# Altium PCB PCB_FINAL_5.PcbDoc (part 1 of 2)
Units mm, origin at the board's own origin, x right, y up, seen from the top; angles counter-clockwise.
Board outline 80.01 x 70.31 mm, 2 copper layers (Top Layer, Bottom Layer); 122 components, 64 nets, 390 pads, 209 vias.
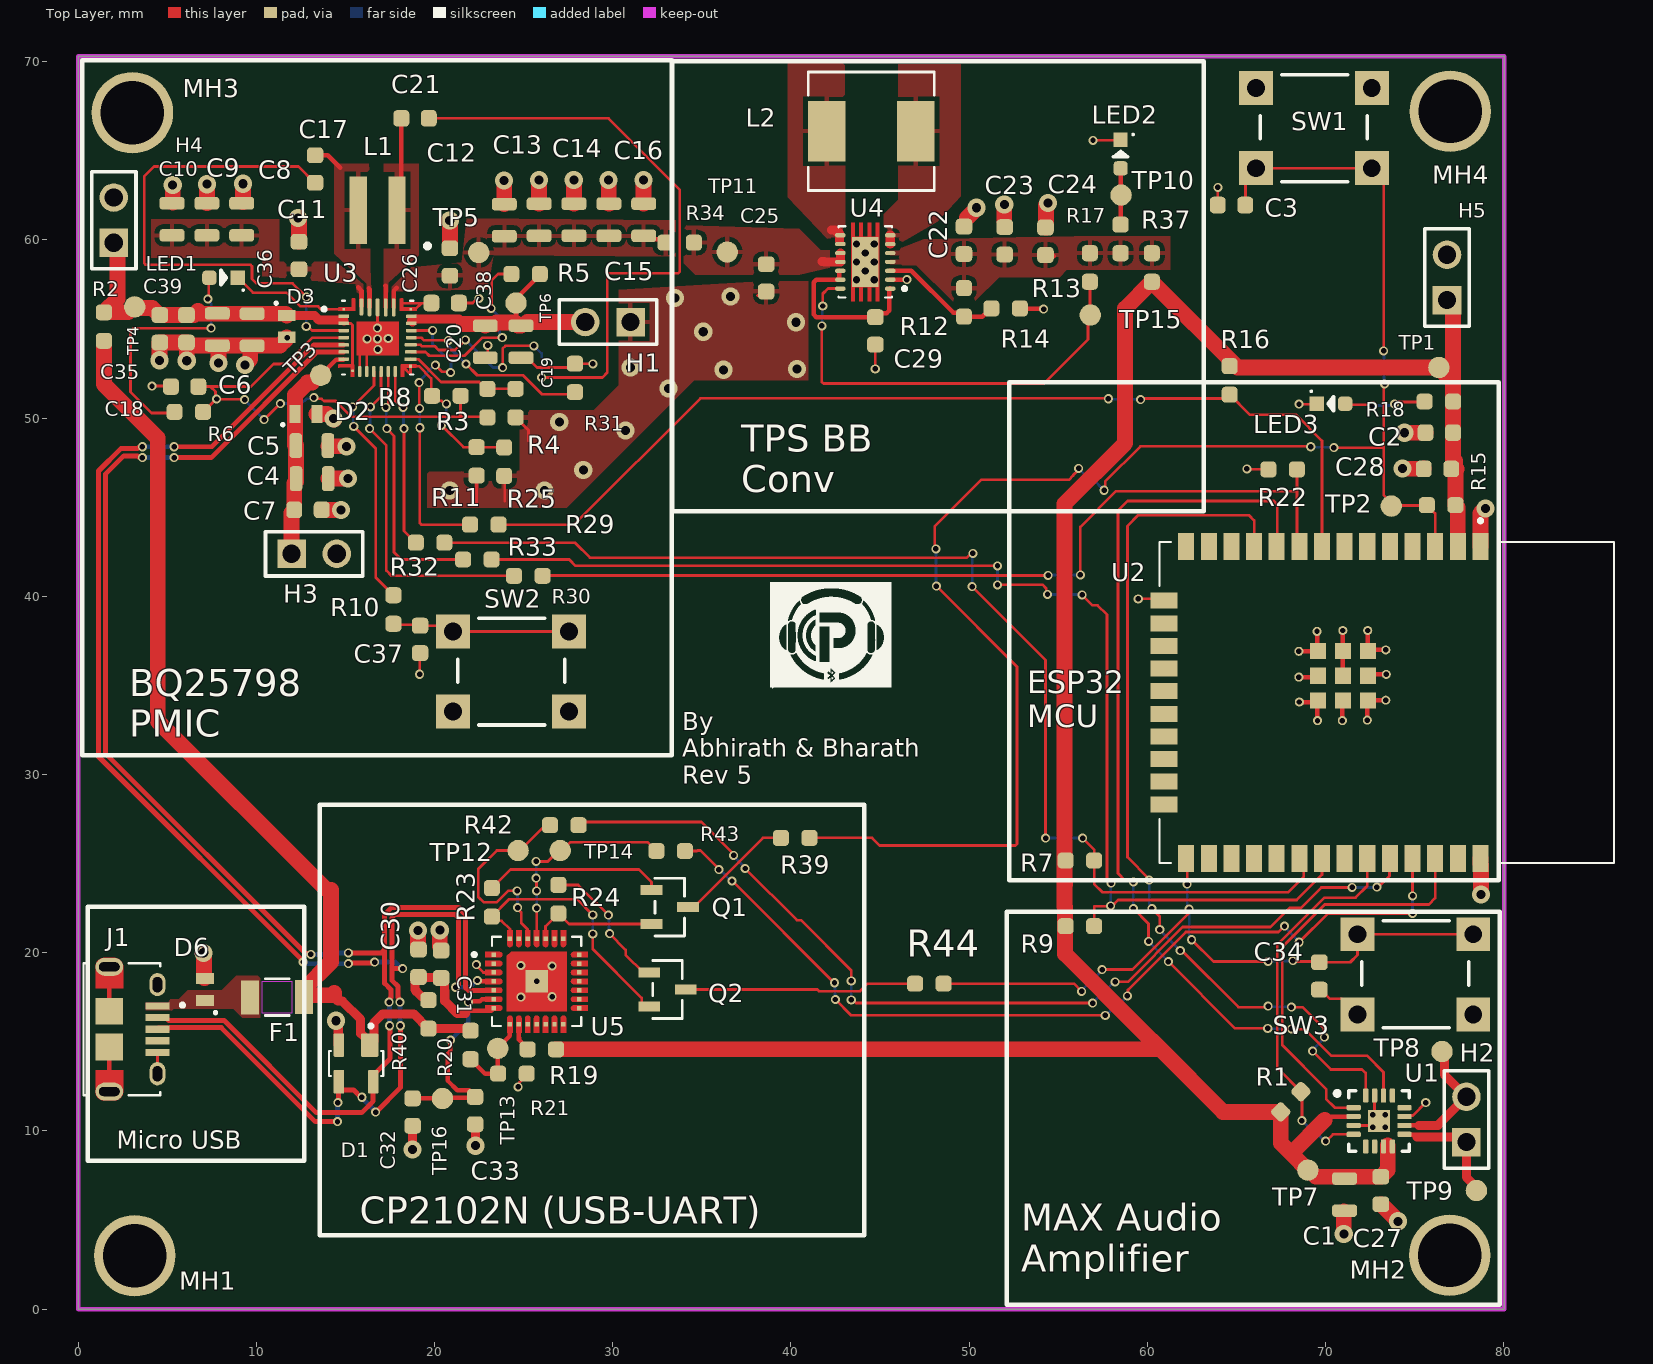
[diagram p0: Top Layer view]
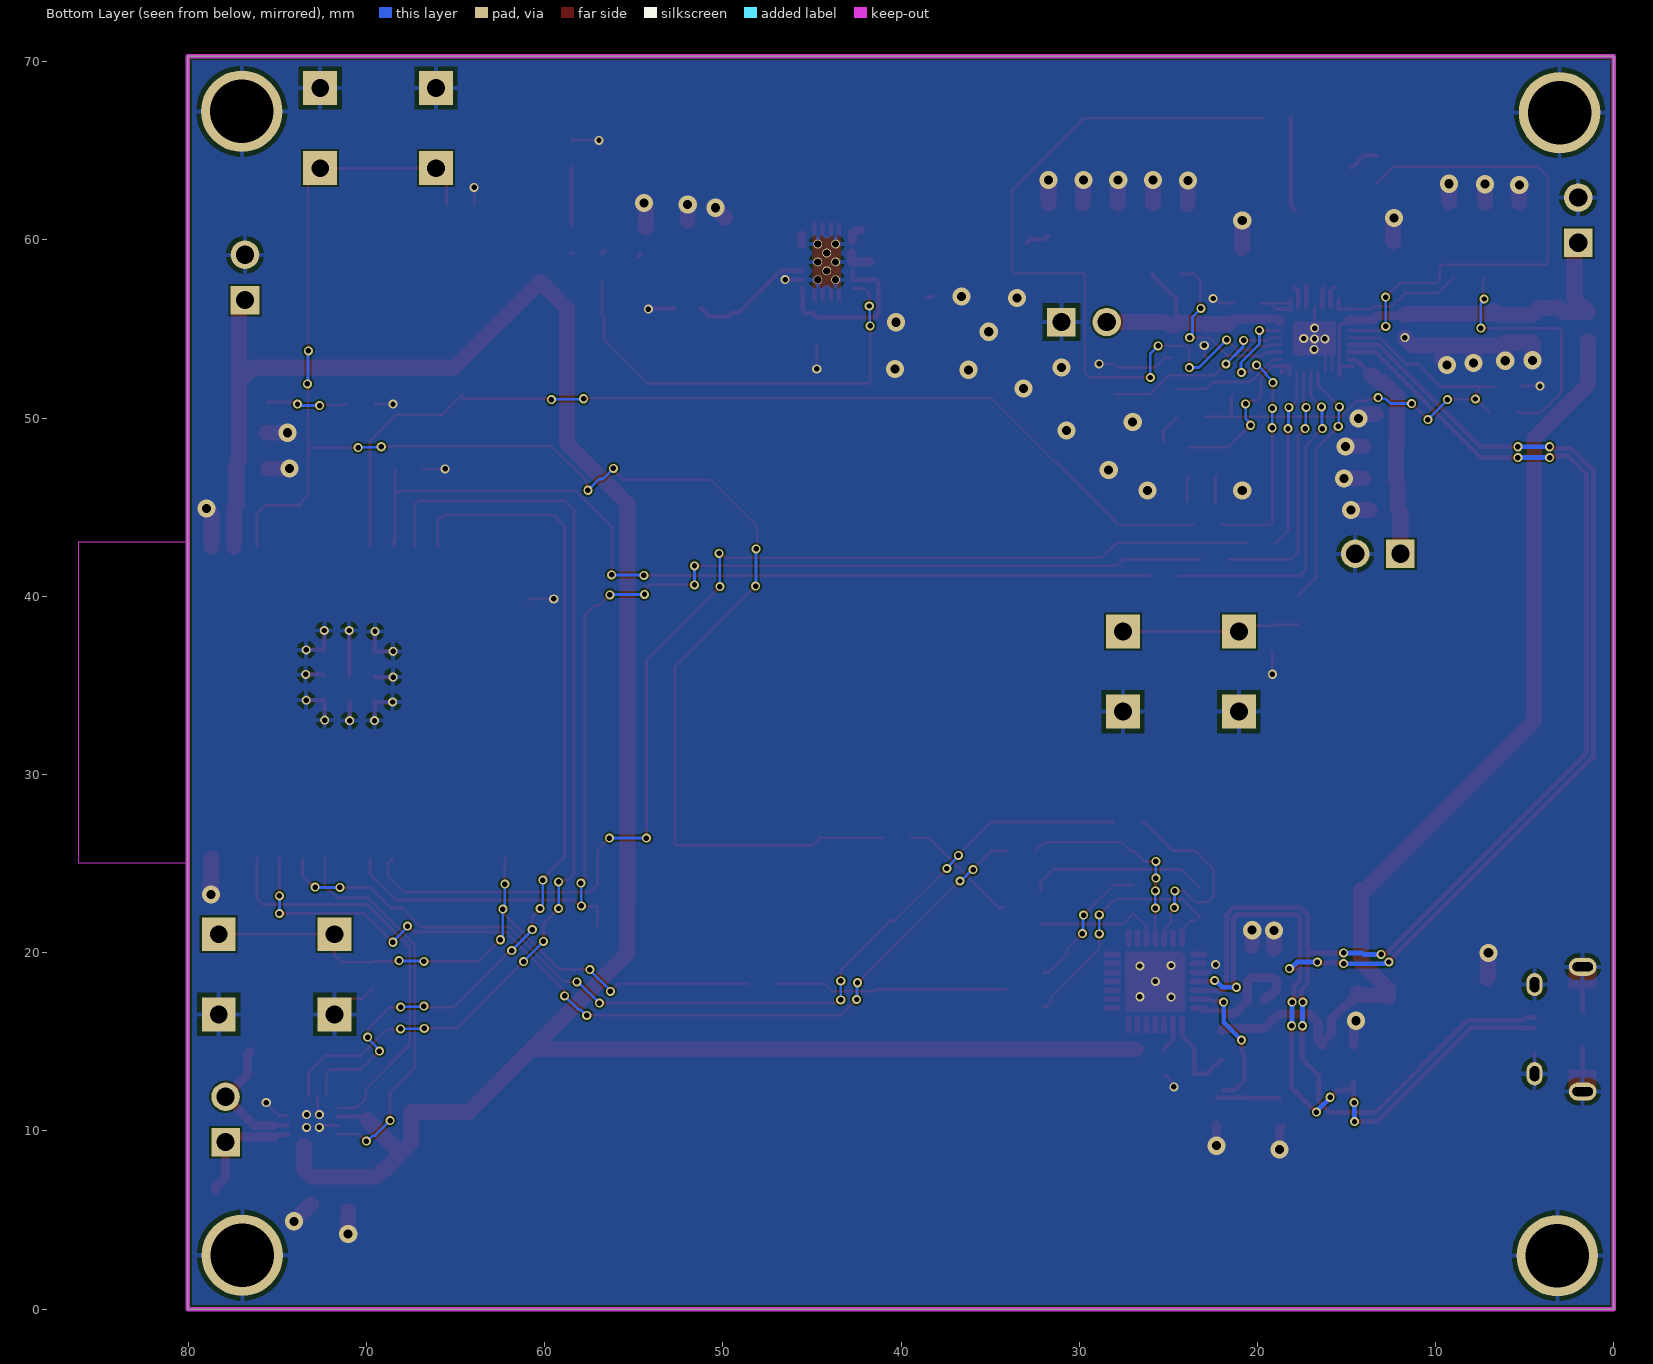
[diagram p1: Bottom Layer view, seen from below]
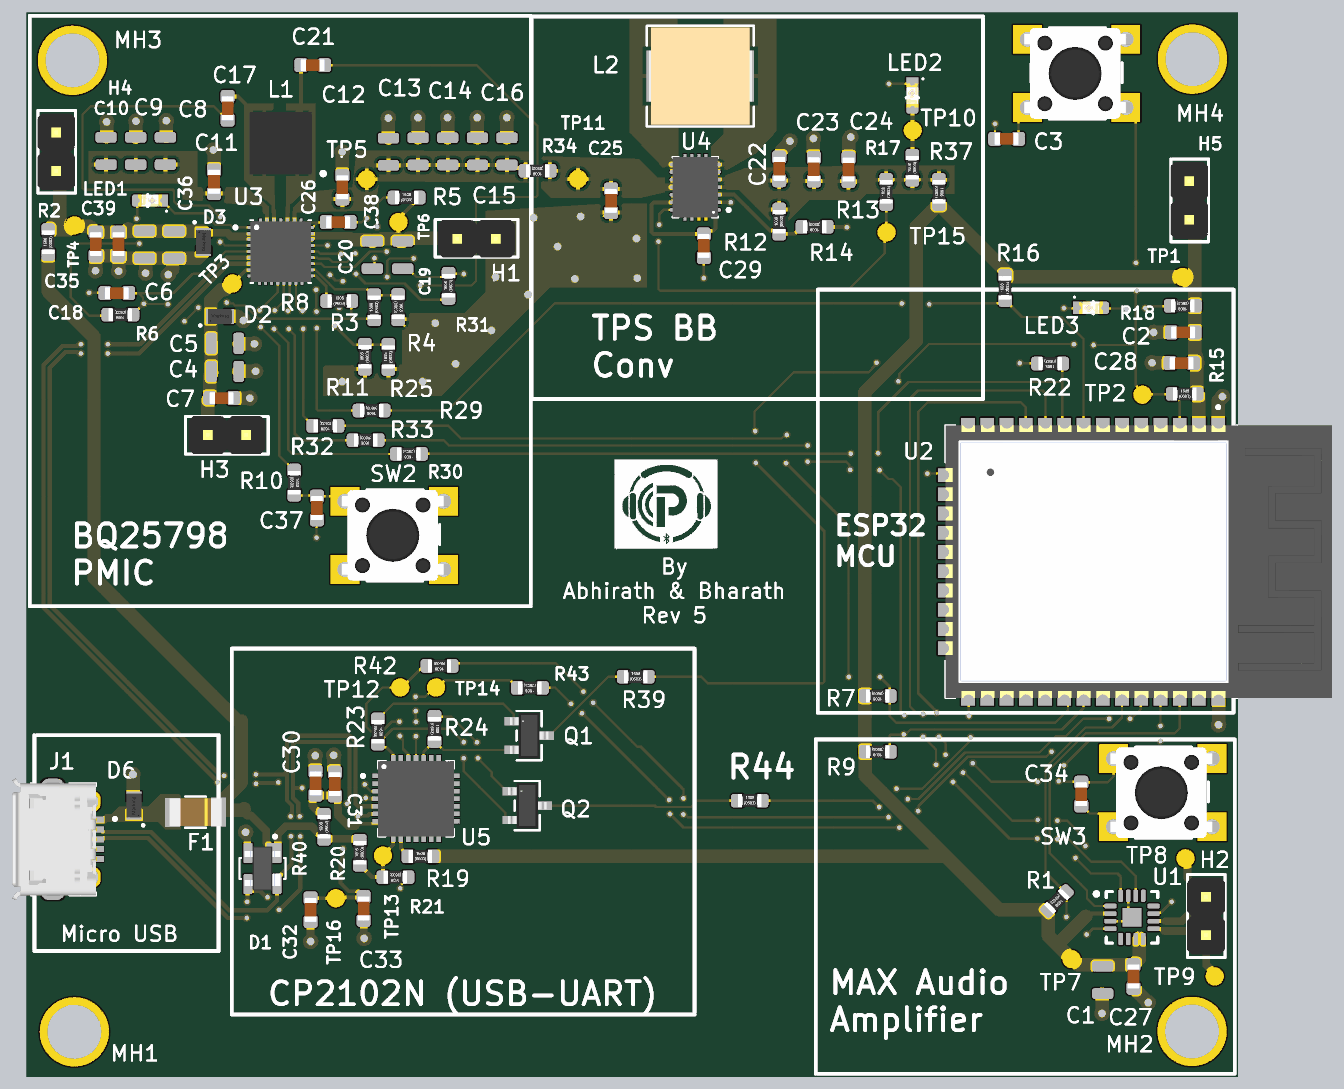
[diagram p3: 3D render of the assembled board from above, using the file's embedded part models]

## Layer stack, top to bottom
Top Solder: solder mask 0.0102, Solder Resist, Dk 3.5
Top Layer: signal copper 0.0356
Dielectric 1: dielectric 0.32, FR-4, Dk 4.8
Bottom Layer: signal copper 0.0356
Bottom Solder: solder mask 0.0102, Solder Resist, Dk 3.5

## Board outline
0,0 80.01,0 80.01,70.307 0,70.307

## Design rules (kind name [scope] priority, off if disabled: settings)
Clearance [All] p1: gap=0.102 ignorepadtopadclearanceinfootprint=FALSE
DiffPairsRouting [All] p1: maxlimit=0.127 minlimit=0.127 mostfreqgap=0.127 toplayer_minwidth=0.277 toplayer_maxwidth=0.277 toplayer_prefwidth=0.277 bottomlayer_minwidth=0.277 bottomlayer_maxwidth=0.277 bottomlayer_prefwidth=0.277 impedanceprofiledriven=TRUE impedanceprofileid={E842A823-A773-4B8F-9750-0115990D137F} impedanceprofilevalue=90.000000 maxuncoupledlength=12.7
HoleSize [All] p1: absolutevalues=TRUE maxlimit=3.81 minlimit=0.025 maxpercent=80.000 minpercent=20.000
MinimumSolderMaskSliver [All] p1: minsoldermaskwidth=0.102
PlaneClearance [All] p1: clearance=0.102
PlaneConnect PlaneConnect_1 [All] p1: planeconnectstyle=Relief reliefexpansion=0.508 reliefentries=4 reliefconductorwidth=0.254 reliefairgap=0.254
PlaneConnect PlaneConnect_Custom [InPolygon AND InNet('NETL2_2_L01_P024')] p2: planeconnectstyle=Direct reliefexpansion=0.508 reliefentries=4 reliefconductorwidth=0.254 reliefairgap=0.254
PolygonConnect [All] p1: thpad.connectstyle=Relief thpad.reliefconductorwidth=0.254 thpad.reliefentries=4 thpad.polygonreliefangle="90 Angle" thpad.airgapwidth=0.254 smdpad.connectstyle=Relief smdpad.reliefconductorwidth=0.254 smdpad.reliefentries=4 smdpad.polygonreliefangle="90 Angle" smdpad.airgapwidth=0.254 via.connectstyle=Direct via.reliefconductorwidth=0.254 via.reliefentries=4 via.polygonreliefangle="90 Angle" via.airgapwidth=0.254
RoutingVias [All] p1: holewidth=0.254 width=0.508 viastyle="Through Hole" minholewidth=0.254 minwidth=0.508 maxholewidth=0.254 maxwidth=0.508
SilkToSolderMaskClearance [IsPad] p1: minsilkscreentomaskgap=0.152 clearancetoexposedcopper=TRUE
SolderMaskExpansion [All] p1: expansion=0.102 istentingtop=FALSE
SupplyNets "Schematic Supply Nets_3" [InNet('REG_3V3')] p1: voltage=0.000
SupplyNets "Schematic Supply Nets_2" [InNet('REGN')] p2: voltage=0.000
SupplyNets "Schematic Supply Nets_1" [InNet('5V_DC_IN')] p3: voltage=0.000
SupplyNets "Schematic Supply Nets" [InNet('GND')] p4: voltage=0.000
Width Width_1 [All] p1: maxlimit=1.27 minlimit=0.152 preferedwidth=0.152
24 further rules are at their usual default settings.

## Classes and differential pairs
component class TPS_BUCK_BOOST: C22 C23 C24 C25 C29 L2 LED2 R12 R13 R14 R17 R37 TP10 TP11 TP15 U4
component class mech_comp: H1 H2 H3 H4 H5 MH1 MH2 MH3 MH4
component class MAX9857A_audio_amp: C1 C27 R1 TP7 TP8 TP9 U1
component class ESP32_SoC: C2 C3 C28 C34 LED3 R7 R9 R15 R16 R18 R22 R29 R30 R32 R33 SW1 SW3 TP1 TP2 U2
component class CP2102_USB_UART: C30 C31 C32 C33 D1 D6 F1 J1 Q1 Q2 R19 R20 R21 R23 R24 R39 R40 R42 R43 R44 TP12 TP13 TP14 TP16 U5
component class BQ25798_PMIC: C4 C5 C6 C7 C8 C9 C10 C11 C12 C13 C14 C15 C16 C17 C18 C19 C20 C21 C26 C35 C36 C37 C38 C39 D2 D3 L1 LED1 R2 R3 R4 R5 R6 R8 R10 R11 R25 R31 R34 SW2 TP3 TP4 TP5 TP6 U3
differential pair USB: +USB_P -USB_N

## Components (designator, comment, footprint, x,y, rotation, side; value= is the part's Value field where it differs from the comment)
C1 "10uF 25V" CAP_10 71.062,6.426 r90 top value=10µF
C2 "0.1 uF 50V" CAPC1608X90N 76.378,49.174 r180 top
C3 "0.1 uF 50V" CAPC1608X90N 64.719,61.951 r180 top
C4 "10uF 25V" CAP_10 13.129,46.596 r0 top value=10µF
C5 "10uF 25V" CAP_10 13.118,48.451 r0 top value=10µF
C6 "10uF 25V" CAP_10 7.81,54.967 r270 top value=10µF
C7 "0.1 uF 50V" CAPC1608X90N 12.898,44.844 r0 top
C8 "10uF 25V" CAP_10 9.181,61.151 r90 top value=10µF
C9 "10uF 25V" CAP_10 7.226,61.151 r90 top value=10µF
C10 "10uF 25V" CAP_10 5.27,61.151 r90 top value=10µF
C11 "0.1 uF 50V" CAPC1608X90N 12.394,59.119 r90 top
C12 "10uF 25V" CAP_10 23.913,61.1 r90 top value=10µF
C13 "10uF 25V" CAP_10 25.869,61.125 r90 top value=10µF
C14 "10uF 25V" CAP_10 27.825,61.125 r90 top value=10µF
C15 "10uF 25V" CAP_10 29.781,61.125 r90 top value=10µF
C16 "10uF 25V" CAP_10 31.737,61.125 r90 top value=10µF
C17 "47nF 16V" CAPC1608X90N 13.296,63.97 r90 top
C18 "4.7 uF 25V" CAPC1608X90N 5.977,51.765 r0 top
C19 "10uF 25V" CAP_10 24.853,54.282 r270 top value=10µF
C20 "10uF 25V" CAP_10 22.847,54.282 r270 top value=10µF
C21 "47nF 16V" CAPC1608X90N 18.91,66.815 r0 top
C22 "22 uF 16V" CAPC1608X90N 49.708,59.969 r90 top
C23 "22 uF 16V" CAPC1608X90N 51.994,59.944 r90 top
C24 "22 uF 16V" CAPC1608X90N 54.28,59.919 r90 top
C25 "22 uF 16V" CAPC1608X90N 38.608,57.861 r270 top
C26 "0.1 uF 50V" CAPC1608X90N 20.865,58.755 r90 top
C27 "0.1 uF 50V" CAPC1608X90N 73.094,6.655 r270 top
C28 "22 uF 16V" CAPC1608X90N 76.276,47.142 r180 top
C29 "0.1 uF 50V" CAPC1608X90N 44.729,54.889 r270 top
C30 "4.7 uF 25V" CAPC1608X90N 19.101,19.406 r90 top
C31 "0.1 uF 50V" CAPC1608X90N 20.371,19.355 r90 top
C32 "4.7 uF 25V" CAPC1608X90N 18.768,11.055 r270 top
C33 "0.1 uF 50V" CAPC1608X90N 22.273,11.139 r270 top
C34 "0.1 uF 50V" CAPC1608X90N 69.647,18.694 r90 top
C35 "0.1 uF 50V" CAPC1608X90N 4.584,55.004 r270 top
C36 "10uF 25V" CAP_10 9.766,54.953 r270 top value=10µF
C37 "47nF 16V" CAPC1608X90N 19.189,37.579 r270 top
C38 "1nF 16V" CAPC1608X90N 20.594,56.452 r0 top
C39 "0.1 uF 50V" CAPC1608X90N 6.083,55.004 r270 top
D1 "SP0503BAHTG" SOT143_NEW 15.598,13.783 r180 top value=30pF
D2 "5V ESD" WE-TVS_DFN1610-2L 12.788,50.229 r0 top
D3 "5V ESD" WE-TVS_DFN1610-2L 11.709,55.143 r270 top
D6 "5V ESD" WE-TVS_DFN1610-2L 7.112,17.932 r90 top
F1 "6V 2A" 0ZCJ_BEL 11.176,17.501 r180 top
H1 "0.1\" M Header" 2-PIN_MALE_HEADER_01-IN 29.73,55.385 r180 top
H2 "0.1\" M Header" 2-PIN_MALE_HEADER_01-IN 77.902,10.643 r90 top
H3 "0.1\" M Header" 2-PIN_MALE_HEADER_01-IN 13.245,42.38 r0 top
H4 "0.1\" M Header" 2-PIN_MALE_HEADER_01-IN 2.005,61.1 r90 top
H5 "0.1\" M Header" 2-PIN_MALE_HEADER_01-IN 76.81,57.887 r90 top
J1 "micro-USB" AMPHENOL_10118194-0001LF 1.753,15.707 r270 top
L1 "1uH 7.2A" WE-MAPI_4020 16.801,61.659 r180 top
L2 "1.5uH 9.1A" IND_PCC-M0630M-LP_PAN 44.501,66.091 r0 top
LED1 "GRN 0603" LED_0603_GRN_WL-SMCW 8.165,57.874 r180 top
LED2 "GRN 0603" LED_0603_GRN_WL-SMCW 58.496,64.808 r270 top
LED3 "GRN 0603" LED_0603_GRN_WL-SMCW 70.295,50.8 r0 top
MH1 "#4 Hole" HOLE_#4 3.175,2.997 r0 top
MH2 "#4 Hole" HOLE_#4 76.962,3.023 r0 top
MH3 "#4 Hole" HOLE_#4 3.048,67.132 r0 top
MH4 "#4 Hole" HOLE_#4 76.987,67.208 r0 top
Q1 "SS8050-G" TRAN_SS8050-G_CIP 33.198,22.555 r270 top
Q2 "SS8050-G" TRAN_SS8050-G_CIP 33.071,17.932 r270 top
R1 "634kΩ" "634K 0603" 68.047,11.633 r225 top
R2 "0" RES_0603_1608X06 1.448,55.131 r90 top
R3 "127kΩ" RESC1508X55N 22.967,50.83 r90 top
R4 "100kΩ" RESC1508X55N 24.548,50.838 r270 top
R5 "100Ω" RESC1508X55N 25.107,58.077 r0 top
R6 "2.2kΩ" RESC1508X55N 6.21,50.343 r180 top
R7 "4.7kΩ" RES_0603_1608X06 56.21,25.171 r180 top
R8 "5.23kΩ" RESC1508X55N 20.662,51.245 r0 top
R9 "4.7kΩ" RES_0603_1608X06 56.21,21.488 r180 top
R10 "10k" RES_0603_1608X06 17.69,39.256 r270 top
R11 "30.9kΩ" RESC1508X55N 22.357,47.562 r90 top
R12 "1MΩ" RESC1508X55N 49.708,56.49 r90 top
R13 "1MΩ" RESC1508X55N 56.769,58.445 r90 top
R14 "180kΩ" RESC1508X55N 52.045,56.147 r180 top
R15 "10kΩ" RES_0603_1608X06 76.479,45.11 r0 top
R16 "10kΩ" RES_0603_1608X06 64.618,52.108 r90 top
R17 "2.2kΩ" RESC1508X55N 58.496,60.046 r90 top
R18 "2.2kΩ" RESC1508X55N 76.352,50.927 r180 top
R19 "1kΩ" RES_0603_1608X06 26.022,14.58 r0 top
R20 "22.1kΩ" RES_0603_1608X06 22.022,14.821 r90 top
R21 "47.5kΩ" RES_0603_1608X06 24.371,13.208 r180 top
R22 "10kΩ" RES_0603_1608X06 67.589,47.117 r180 top
R23 "10kΩ" RES_0603_1608X06 23.216,22.822 r270 top
R24 "10kΩ" RES_0603_1608X06 26.949,23 r270 top
R25 "10kΩ" RES_0603_1608X06 23.906,47.549 r90 top
R29 "0" RES_0603_1608X06 22.796,44.018 r180 top
R30 "0" RES_0603_1608X06 25.26,41.148 r180 top
R31 "3k" RES_0603_1608X06 27.877,52.248 r90 top
R32 "0" RES_0603_1608X06 19.748,43.002 r180 top
R33 "0" RES_0603_1608X06 22.403,42.062 r180 top
R34 "0" RES_0603_1608X06 33.756,59.842 r180 top
R37 "0" RES_0603_1608X06 60.249,58.445 r270 top
R39 "0" RES_0603_1608X06 40.234,26.441 r0 top
R40 "0" RES_0603_1608X06 19.66,16.535 r90 top
R42 "0" RES_0603_1608X06 27.28,27.153 r180 top
R43 "0" RES_0603_1608X06 33.249,25.705 r180 top
R44 "0" RES_0603_1608X06 47.765,18.263 r0 top
SW1 "" 1825910-6_BUTTON 69.342,66.269 r270 top
SW2 "" 1825910-6_BUTTON 24.294,35.776 r270 top
SW3 "" 1825910-6_BUTTON 75.033,18.785 r270 top
TP1 "Test Point" "TEST POINT" 76.352,52.832 r90 top net-tie
TP2 "Test Point" "TEST POINT" 73.685,45.06 r90 top net-tie
TP3 "Test Point" "TEST POINT" 13.614,52.4 r90 top net-tie
TP4 "Test Point" "TEST POINT" 3.175,56.236 r90 top net-tie
TP5 "Test Point" "TEST POINT" 22.479,59.284 r90 top net-tie
TP6 "Test Point" "TEST POINT" 24.574,56.452 r90 top net-tie
TP7 "Test Point" "TEST POINT" 69.005,7.798 r90 top net-tie
TP8 "Test Point" "TEST POINT" 76.53,14.453 r90 top net-tie
TP9 "Test Point" "TEST POINT" 78.461,6.655 r90 top net-tie
TP10 "Test Point" "TEST POINT" 58.522,62.509 r90 top net-tie
TP11 "Test Point" "TEST POINT" 36.424,59.309 r90 top net-tie
TP12 "Test Point" "TEST POINT" 24.689,25.73 r90 top net-tie
TP13 "Test Point" "TEST POINT" 23.546,14.63 r90 top net-tie
TP14 "Test Point" "TEST POINT" 27.051,25.73 r90 top net-tie
TP15 "Test Point" "TEST POINT" 56.794,55.778 r90 top net-tie
TP16 "Test Point" "TEST POINT" 20.445,11.817 r90 top net-tie
U1 "MAX98357A Audio Amplifier" MAX98357_QFN_T1633_4 72.997,10.554 r0 top
U2 "ESP32-WROOM-32E-N4" ESP32-WROOM-32E4 70.965,35.538 r270 top
U3 "BQ25798RQMR" BQ25798RQMR 16.801,54.42 r0 top
U4 "TPS63020DSJR" IC_TPS63020DSJR 44.171,58.758 r180 top
U5 "CP2102N-A02-GQFN28R" IC_CP2102N-A02-GQFN28R 25.73,18.39 r0 top

## Footprints (in the part's own frame and the unit in brackets; to place one, negate y for a bottom-side part, rotate by r counter-clockwise, add the part's x,y. Pads: shape width x height; smd on the part's side, far side on the other; paste and mask are expansions set on the pad)
0ZCJ_BEL [mil]
  rect 39x75 smd paste+0 mask+0: 1(-59,0) 2(60.07,0.85)
  Top Layer keep-out region: -32,-35.5 -32,35.5 33,35.5 33,-35.5
  silkscreen extent -27,-40 27,40, body extent -67,-36 67,36, height 63
2-PIN_MALE_HEADER_01-IN [mm] "Terminal Assembly, 1x2 Pins, Vertical, 2.54mm Pitch, Male"
  rect 1.6x1.6 hole 1.02: 1(-1.27,0)
  round 1.6 hole 1.02: 2(1.27,0)
  silkscreen extent -2.73,-1.24 2.73,1.24, body extent -2.54,-1.22 2.54,1.27, height 8.54
"634K 0603" [mm] "Chip Resistor"
  rrect50% 0.9x0.9 smd: 1(-0.8,0) 2(0.8,0)
  body extent -0.78,-0.43 0.77,0.42, height 0.45
1825910-6_BUTTON [mm]
  rect 1.9x1.9 hole 1: 1(2.25,3.25) 2(2.25,-3.25) 3(-2.25,-3.25) 4(-2.25,3.25)
  silkscreen extent -3,-3 3,3, body extent -3,-4 2.99,3.8, height 5.11
AMPHENOL_10118194-0001LF [mm]
  rect 0.4x1.35 smd mask+0.051: 1(-1.3,2.7) 2(-0.65,2.7) 3(0,2.7) 4(0.65,2.7) 5(1.3,2.7)
  oval 1.3x0.889 hole 0.55 slot 0.85 at 0 deg mask+0.102: S1(-2.5,2.7) S2(2.5,2.7)
  oval 1.003x1.55 hole 0.5 slot 1.15 at 90 deg: S3(-3.5,0) S6(3.5,0)
  rect 1.5x1.55 smd: S4(-1,0) S5(1,0)
  Top Layer region: 193 vertices and 0 holes, not listed, extent 2.3,-0.78 4,0.775
  Top Layer region: 193 vertices and 0 holes, not listed, extent -4,-0.775 -2.3,0.78
  silkscreen extent -3.7,-1.45 3.7,4.2, body extent -4.02,-2.67 4.02,2.91, height 2.69
BQ25798RQMR [mm]
  rrect50% 0.15x0.15 smd paste-1 mask+0: 1(-1.9,1.687) 9(-1.4,-1.762) 24(1.863,1.687)
  rrect50% 0.6x0.2 smd mask+0: 2(-1.9,1.288) 3(-1.9,0.888) 4(-1.9,0.487) 5(-1.9,0.088) 6(-1.9,-0.312) 7(-1.9,-0.713) 8(-1.9,-1.112) 20(1.9,0.088) 21(1.9,0.487) 22(1.9,0.888) 23(1.9,1.288)
  rrect50% 0.2x0.6 smd mask+0: 10(-1,-1.812) 11(-0.6,-1.812) 12(-0.2,-1.812) 13(0.2,-1.812) 14(0.6,-1.812) 15(1,-1.812)
  rrect50% 0.19x0.19 smd paste-1 mask+0: 16(1.85,-1.512)
  rrect50% 0.7x0.2 smd mask+0: 17(1.85,-1.112)
  rrect50% 0.65x0.2 smd mask+0: 18(1.875,-0.713)
  rrect50% 0.68x0.2 smd mask+0: 19(1.863,-0.312)
  rrect50% 0.2x1 smd mask+0: 25(0.9,1.787) 26(0.45,1.787) 27(0,1.787) 28(-0.45,1.787)
  rrect50% 0.2x0.95 smd mask+0: 29(-0.9,1.813)
  Top Layer region: -1.168,-0.914 1.194,-0.914 1.194,0.991 -1.168,0.991
  Top Layer region: 2.158,-1.413 2.16,-1.413 2.163,-1.415 2.165,-1.415 2.168,-1.415 2.17,-1.416 2.173,-1.418 2.175,-1.419 2.177,-1.421 2.179,-1.422 2.181,-1.423 2.183,-1.425 2.185,-1.428 2.187,-1.429 2.189,-1.431 2.19,-1.433 2.192,-1.435 2.193,-1.438 2.195,-1.439 2.196,-1.442 2.197,-1.445 2.198,-1.448 2.198,-1.449 2.199,-1.452 2.199,-1.455 2.2,-1.458 2.2,-1.459 2.2,-1.462 2.2,-1.562 2.2,-1.565 2.2,-1.568 2.199,-1.57 2.199,-1.572 2.198,-1.575 2.198,-1.578 2.197,-1.58 2.196,-1.582 2.195,-1.585 2.193,-1.587 2.192,-1.589 2.19,-1.592 2.189,-1.593 2.187,-1.595 2.185,-1.597 2.183,-1.599 2.181,-1.602 2.179,-1.602 2.177,-1.605 2.175,-1.605 2.173,-1.607 2.17,-1.609 2.168,-1.609 2.165,-1.61 2.163,-1.61 2.16,-1.612 2.158,-1.612 2.155,-1.612 1.5,-1.612 1.5,-2.063 1.5,-2.066 1.5,-2.067 1.499,-2.07 1.499,-2.073 1.498,-2.076 1.498,-2.077 1.497,-2.08 1.496,-2.083 1.495,-2.086 1.493,-2.087 1.492,-2.09 1.49,-2.091 1.489,-2.093 1.487,-2.095 1.485,-2.097 1.483,-2.1 1.481,-2.101 1.479,-2.103 1.477,-2.104 1.475,-2.105 1.473,-2.107 1.47,-2.108 1.468,-2.11 1.465,-2.11 1.463,-2.11 1.46,-2.111 1.458,-2.111 1.455,-2.113 1.345,-2.113 1.342,-2.111 1.34,-2.111 1.337,-2.11 1.335,-2.11 1.332,-2.11 1.33,-2.108 1.327,-2.107 1.325,-2.105 1.323,-2.104 1.321,-2.103 1.319,-2.101 1.317,-2.1 1.315,-2.097 1.313,-2.095 1.311,-2.093 1.31,-2.091 1.308,-2.09 1.307,-2.087 1.305,-2.086 1.304,-2.083 1.303,-2.08 1.302,-2.077 1.302,-2.076 1.301,-2.073 1.301,-2.07 1.3,-2.067 1.3,-2.066 1.3,-2.063 1.3,-1.462 1.3,-1.459 1.3,-1.458 1.301,-1.455 1.301,-1.452 1.302,-1.449 1.302,-1.448 1.303,-1.445 1.304,-1.442 1.305,-1.439 1.307,-1.438 1.308,-1.435 1.31,-1.433 1.311,-1.431 1.313,-1.429 1.315,-1.428 1.317,-1.425 1.319,-1.423 1.321,-1.422 1.323,-1.421 1.325,-1.419 1.327,-1.418 1.33,-1.416 1.332,-1.415 1.335,-1.415 1.337,-1.415 1.34,-1.413 1.342,-1.413 1.345,-1.412 2.155,-1.412
  Top Layer region: -1.342,-1.413 -1.34,-1.413 -1.337,-1.415 -1.335,-1.415 -1.332,-1.415 -1.33,-1.416 -1.327,-1.418 -1.325,-1.419 -1.323,-1.421 -1.321,-1.422 -1.319,-1.423 -1.317,-1.425 -1.315,-1.428 -1.313,-1.429 -1.311,-1.431 -1.31,-1.433 -1.308,-1.435 -1.307,-1.438 -1.305,-1.439 -1.304,-1.442 -1.303,-1.445 -1.302,-1.448 -1.302,-1.449 -1.301,-1.452 -1.301,-1.455 -1.3,-1.458 -1.3,-1.459 -1.3,-1.462 -1.3,-2.063 -1.3,-2.066 -1.3,-2.067 -1.301,-2.07 -1.301,-2.073 -1.302,-2.076 -1.302,-2.077 -1.303,-2.08 -1.304,-2.083 -1.305,-2.086 -1.307,-2.087 -1.308,-2.09 -1.31,-2.091 -1.311,-2.093 -1.313,-2.095 -1.315,-2.097 -1.317,-2.1 -1.319,-2.101 -1.321,-2.103 -1.323,-2.104 -1.325,-2.105 -1.327,-2.107 -1.33,-2.108 -1.332,-2.11 -1.335,-2.11 -1.337,-2.11 -1.34,-2.111 -1.342,-2.111 -1.345,-2.113 -1.455,-2.113 -1.458,-2.111 -1.46,-2.111 -1.463,-2.11 -1.465,-2.11 -1.468,-2.11 -1.47,-2.108 -1.473,-2.107 -1.475,-2.105 -1.477,-2.104 -1.479,-2.103 -1.481,-2.101 -1.483,-2.1 -1.485,-2.097 -1.487,-2.095 -1.489,-2.093 -1.49,-2.091 -1.492,-2.09 -1.493,-2.087 -1.495,-2.086 -1.496,-2.083 -1.497,-2.08 -1.498,-2.077 -1.498,-2.076 -1.499,-2.073 -1.499,-2.07 -1.5,-2.067 -1.5,-2.066 -1.5,-2.063 -1.5,-1.612 -2.155,-1.612 -2.158,-1.612 -2.16,-1.612 -2.163,-1.61 -2.165,-1.61 -2.168,-1.609 -2.17,-1.609 -2.173,-1.607 -2.175,-1.605 -2.177,-1.605 -2.179,-1.602 -2.181,-1.602 -2.183,-1.599 -2.185,-1.597 -2.187,-1.595 -2.189,-1.593 -2.19,-1.592 -2.192,-1.589 -2.193,-1.587 -2.195,-1.585 -2.196,-1.582 -2.197,-1.58 -2.198,-1.578 -2.198,-1.575 -2.199,-1.572 -2.199,-1.57 -2.2,-1.568 -2.2,-1.565 -2.2,-1.562 -2.2,-1.462 -2.2,-1.459 -2.2,-1.458 -2.199,-1.455 -2.199,-1.452 -2.198,-1.449 -2.198,-1.448 -2.197,-1.445 -2.196,-1.442 -2.195,-1.439 -2.193,-1.438 -2.192,-1.435 -2.19,-1.433 -2.189,-1.431 -2.187,-1.429 -2.185,-1.428 -2.183,-1.425 -2.181,-1.423 -2.179,-1.422 -2.177,-1.421 -2.175,-1.419 -2.173,-1.418 -2.17,-1.416 -2.168,-1.415 -2.165,-1.415 -2.163,-1.415 -2.16,-1.413 -2.158,-1.413 -2.155,-1.412 -1.345,-1.412
  Top Layer region: 1.408,2.287 1.41,2.287 1.413,2.285 1.415,2.285 1.418,2.285 1.42,2.284 1.423,2.282 1.425,2.281 1.427,2.28 1.429,2.278 1.431,2.277 1.433,2.275 1.435,2.272 1.437,2.271 1.439,2.268 1.44,2.267 1.442,2.265 1.443,2.262 1.445,2.261 1.446,2.258 1.447,2.255 1.448,2.252 1.448,2.251 1.449,2.248 1.449,2.245 1.45,2.242 1.45,2.241 1.45,2.238 1.45,1.787 2.155,1.787 2.158,1.787 2.16,1.787 2.163,1.786 2.165,1.786 2.168,1.784 2.17,1.784 2.173,1.783 2.175,1.78 2.177,1.78 2.179,1.777 2.181,1.777 2.183,1.774 2.185,1.773 2.187,1.77 2.189,1.769 2.19,1.767 2.192,1.764 2.193,1.763 2.195,1.76 2.196,1.757 2.197,1.756 2.198,1.753 2.198,1.75 2.199,1.747 2.199,1.746 2.2,1.743 2.2,1.74 2.2,1.737 2.2,1.637 2.2,1.635 2.2,1.633 2.199,1.63 2.199,1.627 2.198,1.625 2.198,1.623 2.197,1.62 2.196,1.617 2.195,1.615 2.193,1.613 2.192,1.61 2.19,1.609 2.189,1.606 2.187,1.605 2.185,1.603 2.183,1.6 2.181,1.599 2.179,1.597 2.177,1.596 2.175,1.595 2.173,1.593 2.17,1.592 2.168,1.59 2.165,1.59 2.163,1.59 2.16,1.589 2.158,1.589 2.155,1.587 1.295,1.587 1.292,1.589 1.29,1.589 1.287,1.59 1.285,1.59 1.282,1.59 1.28,1.592 1.277,1.593 1.275,1.595 1.273,1.596 1.271,1.597 1.269,1.599 1.267,1.6 1.265,1.603 1.263,1.605 1.261,1.606 1.26,1.609 1.258,1.61 1.257,1.613 1.255,1.615 1.254,1.617 1.253,1.62 1.252,1.623 1.252,1.625 1.251,1.627 1.251,1.63 1.25,1.633 1.25,1.635 1.25,1.637 1.25,2.238 1.25,2.241 1.25,2.242 1.251,2.245 1.251,2.248 1.252,2.251 1.252,2.252 1.253,2.255 1.254,2.258 1.255,2.261 1.257,2.262 1.258,2.265 1.26,2.267 1.261,2.268 1.263,2.271 1.265,2.272 1.267,2.275 1.269,2.277 1.271,2.278 1.273,2.28 1.275,2.281 1.277,2.282 1.28,2.284 1.282,2.285 1.285,2.285 1.287,2.285 1.29,2.287 1.292,2.287 1.295,2.288 1.405,2.288